# Altium PCB Wacky_Car_Kei, Okoko osa37, Liam Lma167.PcbDoc (part 1 of 2)
Units mm, origin at the board's own origin, x right, y up, seen from the top; angles counter-clockwise.
Board outline 64 x 85 mm, 4 copper layers (Top Layer, Ground Plane, Power Plane, Bottom Layer), stack 0.844 mm thick; 136 components, 91 nets, 411 pads, 109 vias.
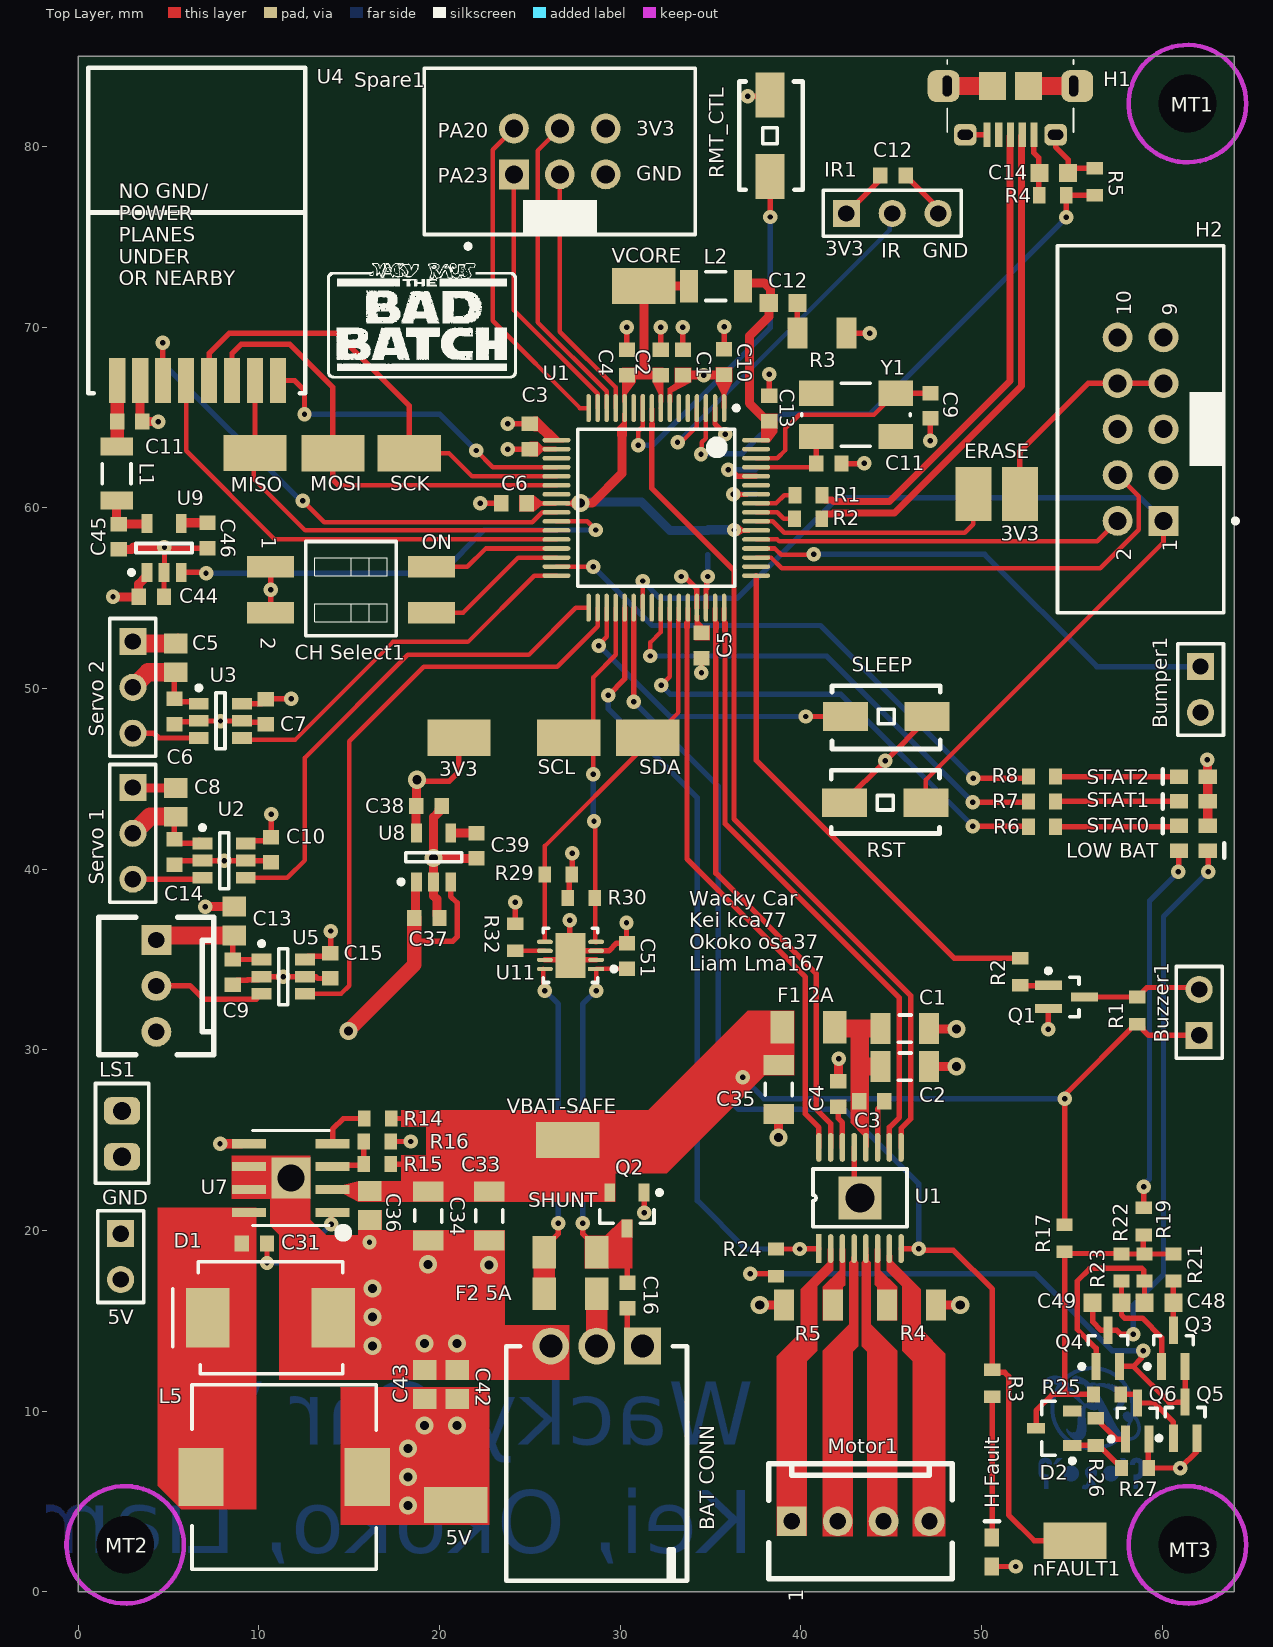
[diagram p0: Top Layer view]
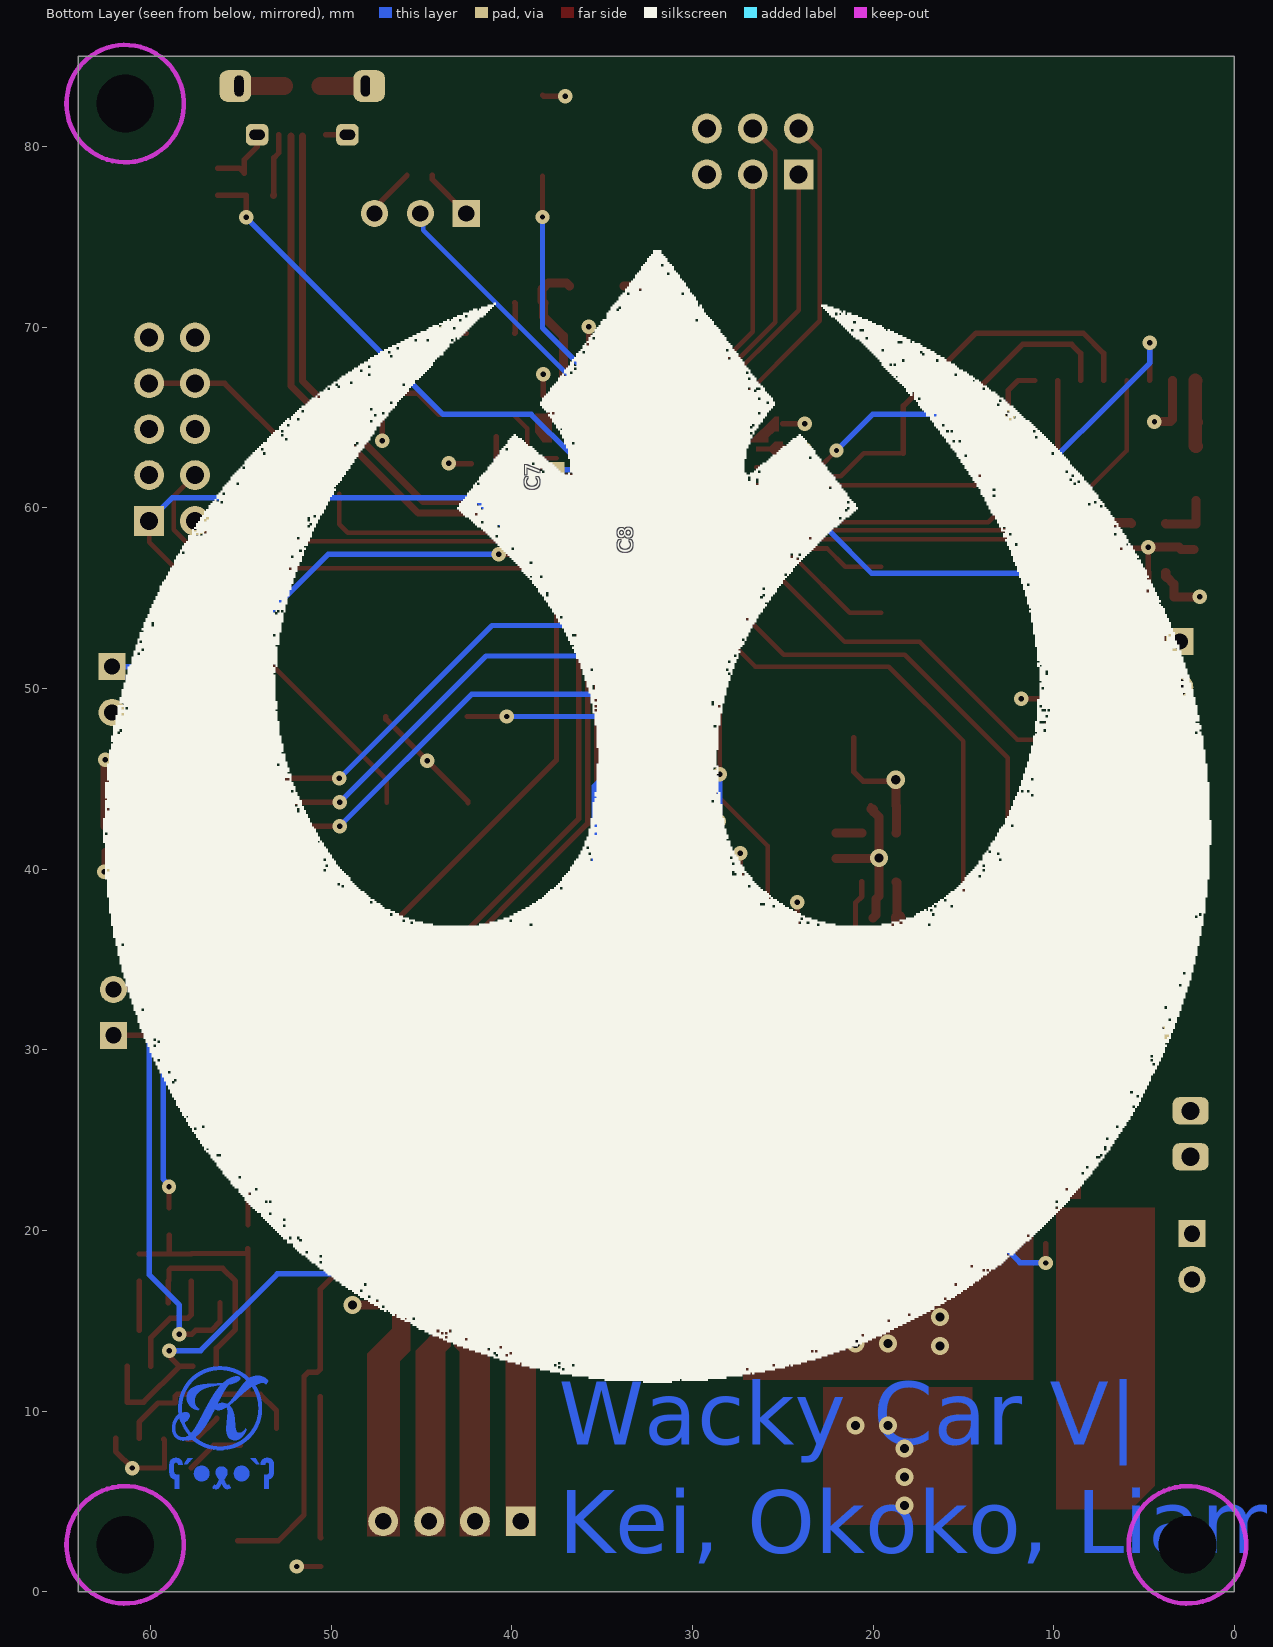
[diagram p1: Bottom Layer view, seen from below]
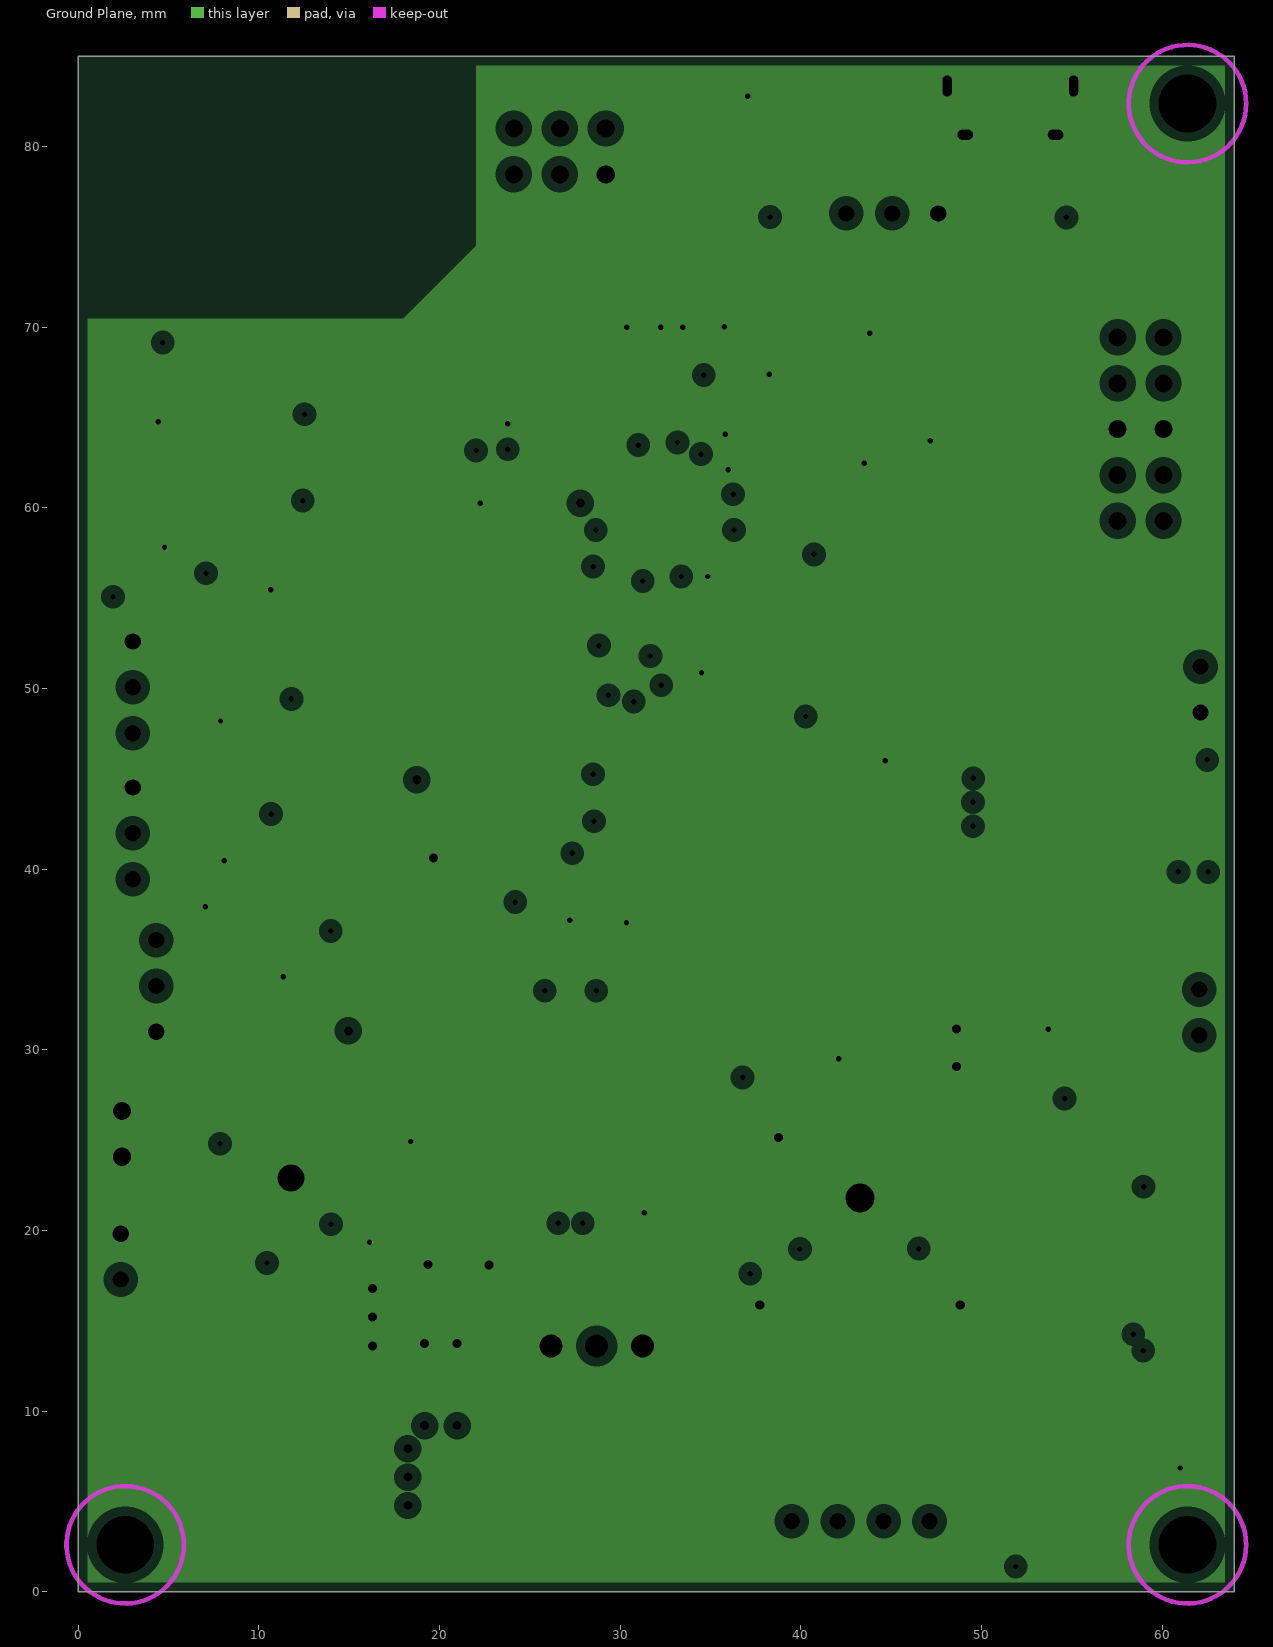
[diagram p2: Ground Plane, clearances drawn from the general rule]
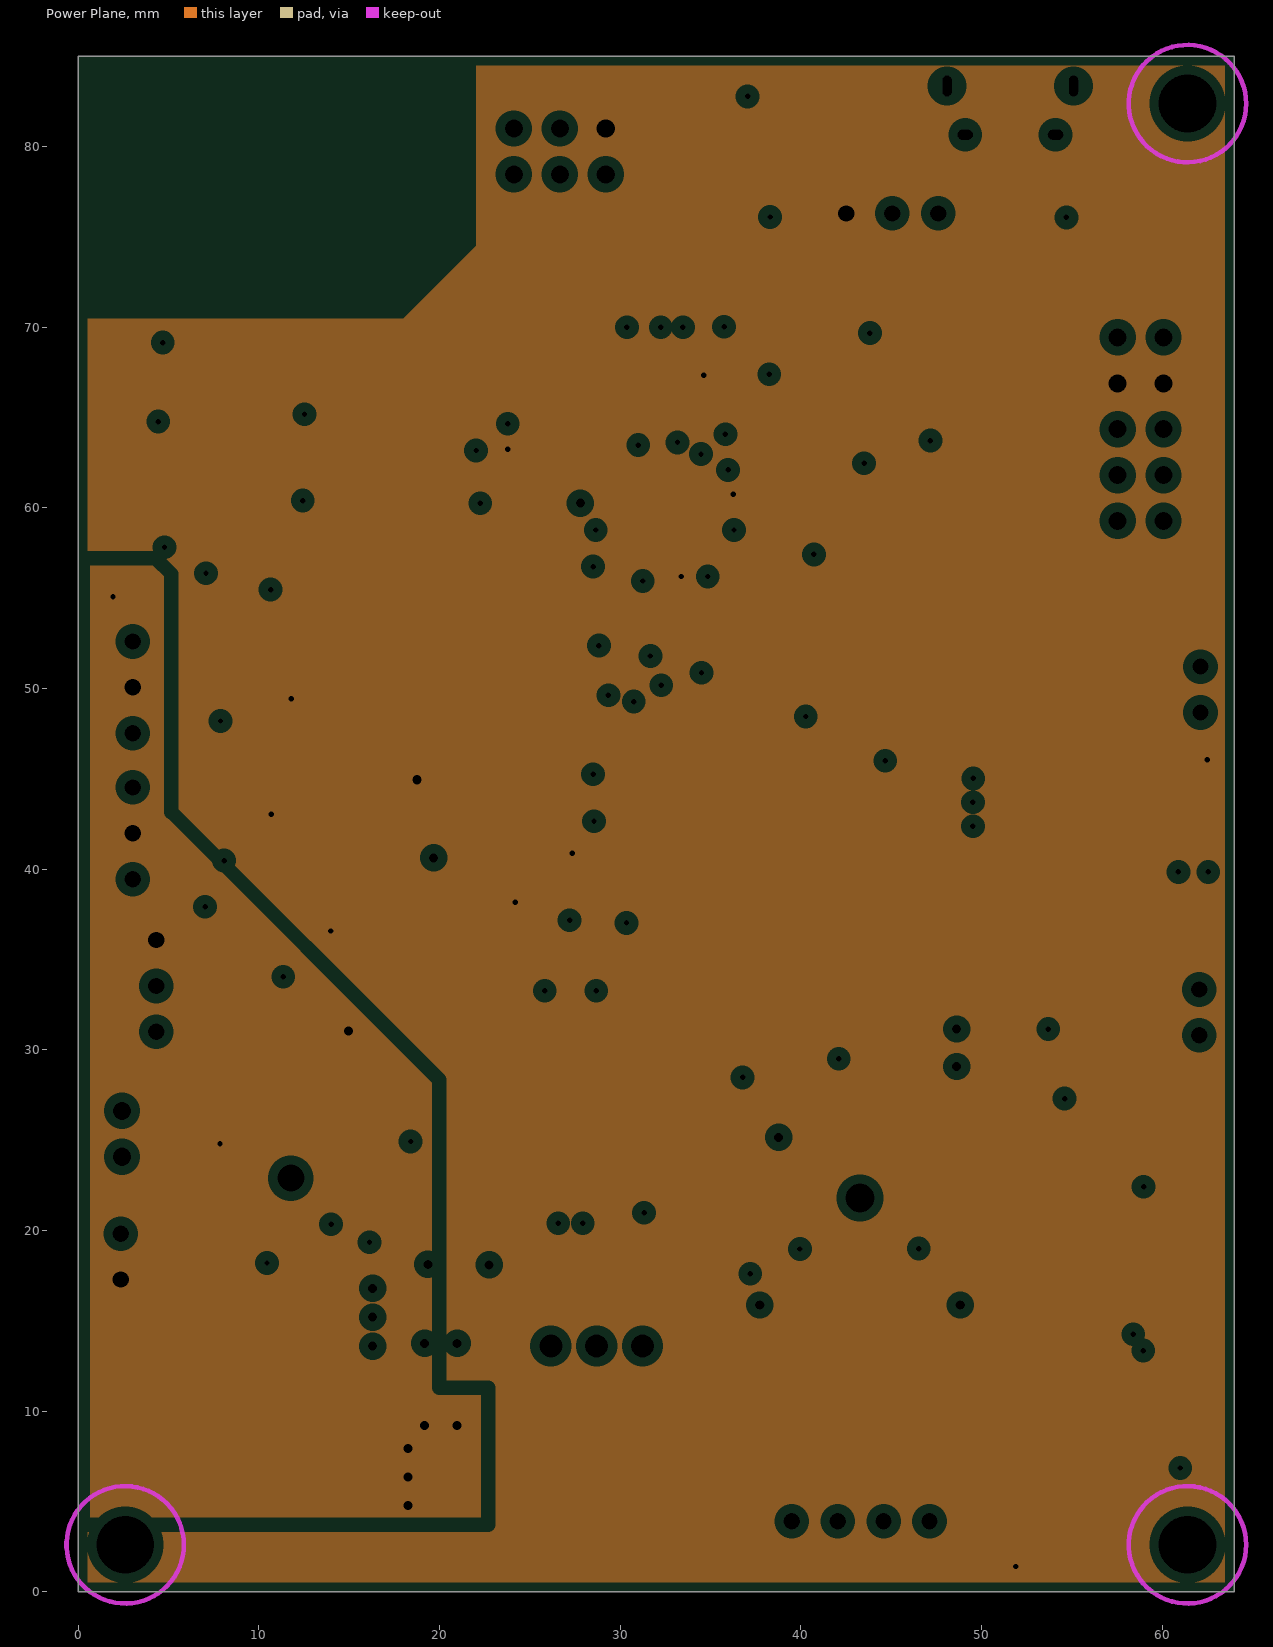
[diagram p3: Power Plane, clearances drawn from the general rule]

## Layer stack, top to bottom
Top Solder: solder mask 0.0102, Solder Resist, Dk 3.5
Top Layer: signal copper 0.0356
Dielectric 1: core 0.32, FR-4, Dk 4.8
Ground Plane: plane copper 0.036, net GND
Dielectric 3: prepreg 0.127, Dk 4.2
Power Plane: plane copper 0.036, net (Multiple Nets)
Dielectric 4: core 0.254, Dk 4.2
Bottom Layer: signal copper 0.0356
Bottom Solder: solder mask 0.0102, Solder Resist, Dk 3.5

## Board outline
0,85 64,85 64,0 0,0 0,85

## Design rules (kind name [scope] priority, off if disabled: settings)
BoardOutlineClearance [All] p1: gap=0.5 ignorepadtopadclearanceinfootprint=FALSE
Clearance GND_POLY [InNamedPolygon('GND')] p1: gap=0.254 ignorepadtopadclearanceinfootprint=FALSE
Clearance Min_Clearance_Circuit_Labs [All] p2: gap=0.2 ignorepadtopadclearanceinfootprint=FALSE
DiffPairsRouting [All] p1: maxlimit=0.254 minlimit=0.254 mostfreqgap=0.254 toplayer_minwidth=0.381 toplayer_maxwidth=0.381 toplayer_prefwidth=0.381 bottomlayer_minwidth=0.381 bottomlayer_maxwidth=0.381 bottomlayer_prefwidth=0.381 maxuncoupledlength=12.7
FanoutControl Fanout_BGA [IsBGA] p1 off: bgadir=Out bgaviamode=Centered fanoutstyle=Auto fanoutdirection=Alternating viagrid=0.025 // Fanout_BGA (Default Rule)
Height [All] p1: minheight=0 maxheight=50.8 prefheight=12.7
HoleSize [All] p1: absolutevalues=TRUE maxlimit=10 minlimit=0.3 maxpercent=80.000 minpercent=20.000
MinimumAnnularRing [All] p1: minimumring=0.1
MinimumSolderMaskSliver [All] p1: minsoldermaskwidth=0.102
NetAntennae [All] p1: netantennaetolerance=1
PlaneClearance [All] p1: clearance=0.508
PlaneConnect [All] p1: planeconnectstyle=Relief reliefexpansion=0.508 reliefentries=4 reliefconductorwidth=0.254 reliefairgap=0.254
PolygonConnect [All] p1: connectstyle=Relief reliefconductorwidth=0.305 reliefentries=4 polygonreliefangle="90 Angle" airgapwidth=0.254
RoutingVias [All] p1: holewidth=0.5 width=1 viastyle="Through Hole" minholewidth=0.3 minwidth=0.8 maxholewidth=1 maxwidth=2
SMDNeckDown [All] p1 off: percent=50.000
SMDToCorner [All] p1: distance=98425
SMDToPlane [All] p1: distance=1968504
SilkToSolderMaskClearance SilkscreenOverComponentPads [IsPad] p1: minsilkscreentomaskgap=0.2 clearancetoexposedcopper=TRUE
SolderMaskExpansion [All] p1: expansion=0.102 istentingtop=FALSE
ViasUnderSMD [All] p1: allowed=FALSE
Width [All] p1: maxlimit=2 minlimit=0.2 preferedwidth=0.3
21 further rules are at their usual default settings.

## Classes and differential pairs
component class Car_Power: 3V3 5V "BAT CONN" C16 C31 C33 C34 C35 C36 C37 C38 C39 C42 C43 C44 C45 C46 C48 C49 C51 D1 D2 "F2 5A" GND L5 "LOW BAT" Q2 Q3 Q4 Q5 Q6 R14 R15 R16 R17 R19 R21 R22 R23 R24 R25 R26 R27 R29 R30 R32 SCL SDA SHUNT U7 U8 U9 U11 VBAT-SAFE
component class Car_Peripherals: 5V Bumper1 Buzzer1 C1 C2 C3 C4 C5 C6 C7 C8 C9 C10 C11 C12 C13 C14 C15 "CH Select1" "F1 2A" "H Fault" IR1 L1 LS1 MISO MOSI Motor1 MT1 MT2 nFAULT1 Q1 R1 R2 R3 R4 R5 SCK "Servo 1" "Servo 2" Spare1 U1 U2 U4
component class Car_MCU: 3V3 C1 C2 C3 C4 C5 C6 C7 C8 C9 C10 C11 C12 C13 C14 ERASE H1 H2 L2 R1 R2 R3 R4 R5 R6 R7 R8 RMT_CTL RST SLEEP ST0 ST1 ST2 STAT0 STAT1 STAT2 U1 VCORE Y1
differential pair D: +D_P -D_N

## Components (designator, comment, footprint, x,y, rotation, side; value= is the part's Value field where it differs from the comment)
3V3 "TP" TP_1206 21.075,47.275 r180 top
3V3 "TP_0805" TP_0805 52.125,60.775 r90 top
5V "JA_PIN_Header 2" HDR1X2 2.35,19.825 r270 top (schematic designator Bumper1)
5V "TP" TP_1206 20.9,4.8 r0 top
"BAT CONN" "Battery_HEADER_3pin" BATT_HEADER_3POS 28.7,13.6 r180 top (schematic designator H6)
Bumper1 "JA_PIN_Header 2" HDR1X2 62.125,51.215 r270 top (schematic designator Bumper2)
Buzzer1 "JA_PIN_Header 2" HDR1X2 62.05,30.8 r90 top
C1 "47uF" CAPC3216L 45.75,31.175 r0 top
C1 "100nF" CAPC1608L 33.475,68.05 r270 top
C2 "47uF" CAPC3216L 45.75,29.075 r0 top
C2 "100nF" CAPC1608L 32.25,68.05 r90 top
C3 "10nF" CAPC1608L 43.925,27.15 r180 top
C3 "100nF" CAPC1608L 25,63.95 r270 top
C4 "2.2uF" CAPC1608L 42.075,27.55 r270 top
C4 "100nF" CAPC1608L 30.375,68.05 r90 top
C5 "10uF" CAPC2012L 5.4,51.7 r270 top
C5 "100nF" CAPC1608L 34.5,52.375 r90 top
C6 "100nF" CAPC1608L 5.325,48.725 r90 top
C6 "100nF" CAPC1608L 24.125,60.25 r180 top
C7 "100nF" CAPC1608L 10.375,48.71 r90 top
C7 "100nF" CAPC1608L 37.525,61.45 r270 bottom
C8 "10uF" CAPC2012L 5.4,43.7 r270 top
C8 "100nF" CAPC1608L 34.85,58.1 r270 bottom
C9 "100nF" CAPC1608L 8.55,34.3 r90 top
C9 "27pF" CAPC1608L 47.175,65.65 r90 top
C10 "100nF" CAPC1608L 10.675,41.075 r90 top
C10 "100nF" CAPC1608L 35.75,68.075 r270 top
C11 "10uF" CAPC1608L 2.85,64.775 r180 top
C11 "27pF" CAPC1608L 41.55,62.45 r180 top
C12 "100nF" CAPC1608L 45.1,78.4 r180 top
C12 "4.7uF" CAPC1608N 39.025,71.35 r180 top
C13 "10uF" CAPC2012L 8.625,37.125 r270 top
C13 "100nF" CAPC1608L 38.25,65.5 r270 top
C14 "100nF" CAPC1608L 5.325,40.95 r90 top
C14 "4.7uF" CAPC1608N 54,78.525 r180 top
C15 "100nF" CAPC1608L 13.95,34.65 r90 top
C16 "1uF" CAPC1608L 30.4,16.4 r90 top
C31 "100nF" CAPC1608L 9.75,19.275 r0 top
C33 "47uF" CAPC3216L 22.75,20.8 r90 top
C34 "47uF" CAPC3216L 19.377,20.804 r90 top
C35 "47uF" CAPC3216L 38.775,27.8 r90 top
C36 "10uF" CAPC2012L 16.15,21.375 r90 top
C37 "1uF" CAPC1608L 19.3,37.3 r180 top
C38 "2.2uF" CAPC1608L 19.421,43.5 r180 top
C39 "10nF" CAPC1608L 22.046,41.3 r90 top
C42 "33uF" CAPC2012L 20.975,11.475 r270 top
C43 "33uF" CAPC2012L 19.174,11.475 r270 top
C44 "1uF" CAPC1608L 4.05,55.075 r180 top
C45 "2.2uF" CAPC1608L 2.25,58.4 r90 top
C46 "10nF" CAPC1608L 7.154,58.475 r90 top
C48 "4.7uF" CAPC1608N 59.825,16 r180 top
C49 "4.7uF" CAPC1608N 56.95,16 r180 top
C51 "1uF" CAPC1608L 30.375,35.2 r90 top
"CH Select1" "WS_SW DIP-2" DIP_SW_2WAY_SMD 10.65,56.74 r270 top
D1 "VS-30BQ015-M3/9AT" SMC 10.65,15.175 r180 top
D2 "4V7" SOT23_L 54.025,9.05 r180 top
ERASE "TP_0805" TP_0805 49.55,60.775 r90 top
"F1 2A" "2A" RESC3216N 40.425,31.25 r0 top (schematic designator F1)
"F2 5A" "5A" RESC3216N 27.25,16.5 r180 top (schematic designator F2)
GND "100Mil Jumper" JMP2.54 2.425,24.081 r90 top (schematic designator J1)
H1 "JS_USB_MICRO_B" FCI_USB_10118194-0001LF 51.6,84.8 r180 top
H2 "Header 5X2 Vert" IDC2.54-V10D 58.805,64.355 r90 top
"H Fault" "Red" WL-SMCW0603 50.575,3 r270 top (schematic designator DL1)
IR1 "JA_PIN_Header 3" HDR1X3 42.52,76.3 r0 top
L1 "1A max, Idc 0.3R," INDC3216L 2.125,61.9 r90 top
L2 "1A max, Idc 0.3R," INDC3216L 35.3,72.275 r180 top
L5 "IND 5.2UH 6A" INDUCTOR5u2 11.4,6.35 r0 top
"LOW BAT" "Red" WL-SMCW0603 62.525,41.025 r180 top
LS1 "3 Pin Molex KK Hdr" MOLEX_KK_3_HDR 4.325,36.075 r270 top
MISO "" TP_1206 9.786,63.036 r180 top value=TP (schematic designator MISO1)
MOSI "" TP_1206 14.1,63.025 r180 top value=TP (schematic designator MOSI1)
Motor1 "4 Pin Molex KK Hdr" MOLEX_KK_4_HDR 39.5,3.9 r0 top
MT1 "M3.2 NPTH" MNT-HOLE_3.2mm_NPTH 61.4,82.375 r0 top
MT2 "M3.2 NPTH" MNT-HOLE_3.2mm_NPTH 2.6,2.6 r0 top
MT3 "M3.2 NPTH" MNT-HOLE_3.2mm_NPTH 61.4,2.6 r0 top
nFAULT1 "" TP_1206 55.175,2.825 r0 top value=TP
Q1 "BC817W" SOT323_M 54.7,32.925 r0 top
Q2 "SSM3J328R,LF" SOT23_L 30.375,21.1 r270 top
Q3 "BC817W" SOT323_M 60.625,13.475 r90 top
Q4 "BC817W" SOT323_M 57,13.475 r90 top
Q5 "BC817W" SOT323_M 61.275,9.5 r90 top
Q6 "BC817W" SOT323_M 58.625,9.45 r90 top
R1 "1K" RESC1608L 58.625,32.175 r270 top
R1 "27R" RESC1608L 40.425,60.7 r180 top
R2 "4K7" RESC1608L 52.15,34.325 r270 top
R2 "27R" RESC1608L 40.4,59.4 r180 top
R3 "3K" RESC1608L 50.6,11.55 r90 top
R3 "1R" RESC3216L 41.175,69.675 r180 top
R4 "0R" RESC3216L 46.125,15.875 r180 top
R4 "27K" RESC1608L 53.95,77.3 r180 top
R5 "0R" RESC3216L 40.425,15.875 r0 top
R5 "47K" RESC1608L 56.275,78.05 r270 top
R6 "3K" RESC1608L 53.35,42.35 r180 top
R7 "2K" RESC1608L 53.35,43.75 r180 top
R8 "1K5" RESC1608L 53.35,45.125 r180 top
R14 "100K" RESC1608L 16.575,26.2 r0 top
R15 "51K" RESC1608L 16.55,23.675 r0 top
R16 "16K" RESC1608L 16.55,24.925 r180 top
R17 "0R" RESC1608L 54.6,19.575 r90 top
R19 "1K" RESC1608L 58.975,20.5 r270 top
R21 "1K" RESC1608L 60.625,17.95 r90 top
R22 "100K" RESC1608L 59.025,17.95 r90 top
R23 "100K" RESC1608L 57.75,17.95 r90 top
R24 "0R" RESC1608L 38.625,18.225 r270 top
R25 "4K7" RESC1608L 56.95,10.925 r180 top
R26 "1K" RESC1608L 56.325,8.85 r270 top
R27 "620R" RESC1608L 58.5,6.85 r180 top
R29 "2K" RESC1608L 26.575,39.7 r0 top
R30 "2K" RESC1608L 27.85,38.4 r180 top
R32 "10K" RESC1608L 24.19,36.225 r270 top
RMT_CTL "EVQPNF05M" EVQPNF05M 38.3,80.6 r270 top
RST "EVQPNF05M" EVQPNF05M 44.675,43.675 r0 top
SCK "" TP_1206 18.325,63.025 r180 top value=TP (schematic designator SCK1)
SCL "TWI_CLK" TP_1206 27.15,47.275 r180 top value=TP
SDA "TWI_DATA" TP_1206 31.525,47.275 r0 top value=TP
"Servo 1" "JA_PIN_Header 3" HDR1X3 3.025,44.525 r270 top
"Servo 2" "JA_PIN_Header 3" HDR1X3 3.025,52.605 r270 top
SHUNT "25mR" RESC3216N 27.25,18.8 r0 top
SLEEP "EVQPNF05M" EVQPNF05M 44.725,48.45 r180 top
Spare1 "Header 3X2 Vert" IDC2.54-V06D 26.66,79.73 r0 top
STAT0 "Red" WL-SMCW0603 60.925,42.4 r0 top
STAT1 "Green" WL-SMCW0603 60.925,43.75 r0 top
STAT2 "Blue" WL-SMCW0603 60.925,45.125 r0 top
U1 "DRV8833" "HTSOP16 DRV8833" 41,19 r90 top locked
U1 "ATSAM4S8BA-ANR" LQFP64_L 32,60 r270 top locked
U2 "SN74LVC1T45" SOT23-6_N 8.075,40.475 r0 top
U3 "SN74LVC1T45" SOT23-6_N 7.875,48.21 r0 top
U4 "nRF24 SMD" NRF24 0.557,66.35 r0 top
U5 "SN74LVC1T45" SOT23-6_N 11.35,34.05 r0 top
U7 "ADP2302ARDZ-5.0 BUCK" RD_8_1 11.775,22.9 r180 top locked value=Value
U8 "CAT6219-330TDGT3" SOT95P280X145-5N 19.671,40.65 r90 top
U9 "CAT6219-330TDGT3" SOT95P280X145-5N 4.75,57.775 r90 top
U11 "LTC2943IDD#TRPBF" FP-DD-8-05-08-1698-IPC_B 27.25,35.225 r180 top
VBAT-SAFE "TP" TP_1206 27.1,25 r180 top
VCORE "VCORE" TP_1206 31.3,72.275 r0 top value=TP
Y1 "12MHz" 6.0X3.5-4 43.05,65.15 r0 top
